# Altium PCB MB1272C.PcbDoc (part 4 of 10)
Units mm, origin at the board's own origin, x right, y up, seen from the top; angles counter-clockwise.
Board outline 101 x 71 mm, 6 copper layers (Top Layer, Signal Layer 1, Signal Layer 2, Signal Layer 3, Signal Layer 4, Bottom Layer), stack 1.552 mm thick; 520 components, 478 nets, 2156 pads, 1894 vias.
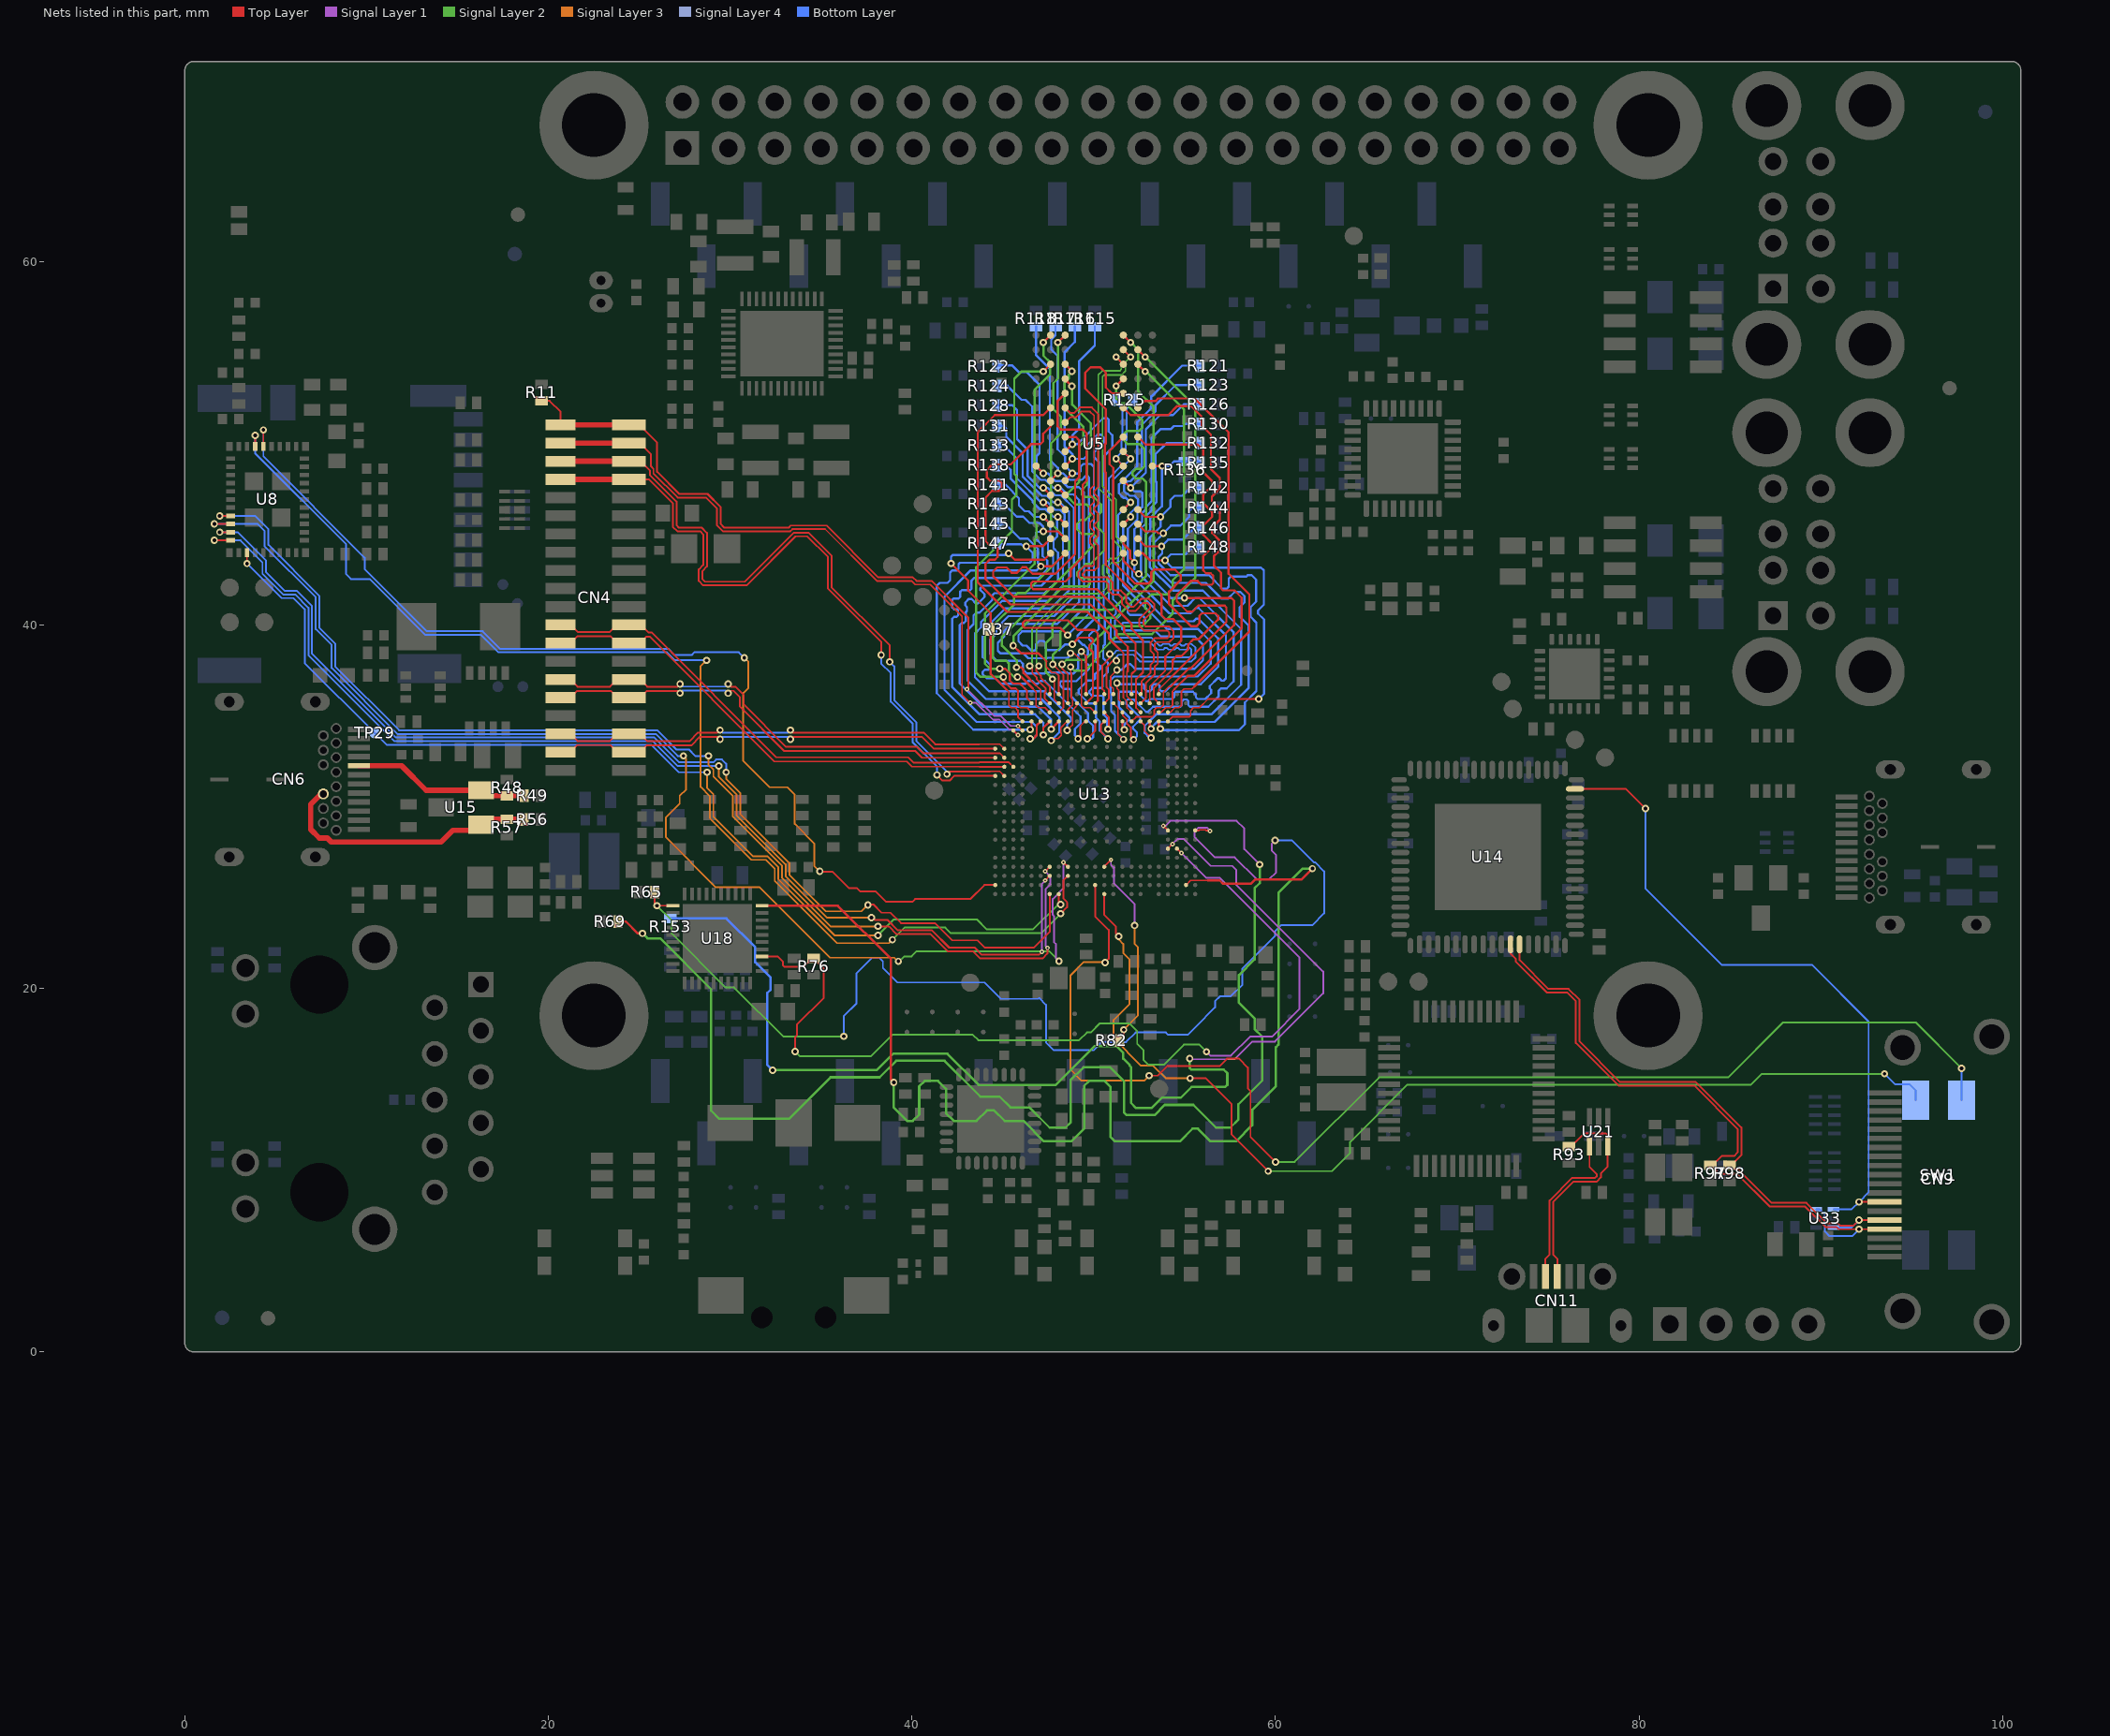
[diagram p8: the nets of this part, all layers, seen from the top]

## Via types
v1: diameter 0.4, hole 0.2, Top Layer to Bottom Layer, tented both sides, 912 vias
v2: diameter 0.25, hole 0.1, Top Layer to Signal Layer 1, tented top, 493 vias
v3: diameter 0.6, hole 0.3, Top Layer to Bottom Layer, tented both sides, 452 vias
v4: diameter 0.25, hole 0.1, Top Layer to Signal Layer 1, tented both sides, 37 vias

## Nets (pads, with @x,y where several pads share a name; then routed paths per layer and width w, separated by ;. In a path a pad name is that pad's centre, name@x,y a point inside that pad or via, vN(x,y) a via of type N, cw(c..) or ccw(c..) an arc to the next point about the centre after c; other vN are vias at no path point) (continued)
BOOT0: SW1.1 U13.N1 | length 60.5
  Top Layer w0.1: U13.N1@50.58,25.19 50.58,24.034 51.23,23.384 51.23,23.015 v1(51.38,22.865) ; v1(55.3,15.05) 56.175,15.05 57.575,13.65 57.575,11.97 v1(59.6,9.945)
  Signal Layer 2 w0.1: v1(59.6,9.945) 63.095,9.945 64.1,10.95 64.1,11.55 67.25,14.7 86.15,14.7 86.75,15.3 v1(93.5,15.3)
  Signal Layer 3 w0.1: v1(51.38,22.865) 51.38,22.694 51.625,22.449 51.625,21.95 51.975,21.6 51.975,19.15 51.1,18.275 51.1,17.25 52.6,15.75 53.278,15.75 53.978,15.05 v1(55.3,15.05)
  Bottom Layer w0.1: v1(93.5,15.3) 94.075,14.725 94.875,14.725 95.205,14.395 SW1.1@95.205,13.85
BOOT1: R82.2 U13.N4 | length 11.5
  Top Layer w0.1: U13.N4@50.575,26.695 U13.N4@50.58,26.69 50.58,26.705 v2(50.95,27.075) ; R82.2@51.425,17.125 51.65,17.35 v1(51.65,17.725)
  Signal Layer 1 w0.1: v2(50.95,27.075) 50.95,26.8 51.105,26.645 51.105,25.787 52.255,24.636 v1(52.255,23.465)
  Signal Layer 3 w0.1: v1(51.65,17.725) 52.425,18.5 52.425,22.275 52.255,22.445 v1(52.255,23.465)
BOOT2: SW1.2 U13.M2 | length 72.3
  Top Layer w0.1: U13.M2@50.08,25.69 50.08,23.968 50.83,23.218 50.83,21.63 v1(50.625,21.425) ; v1(53.05,15.2) 53.525,15.2 54.05,15.725 56.926,15.725 57.331,16.129 57.996,16.129 58.475,15.65 58.475,14.495 58.625,14.345 58.625,11.825 v1(60,10.45)
  Signal Layer 2 w0.1: v1(60,10.45) 61.05,10.45 65.7,15.1 84.9,15.1 87.925,18.125 95.215,18.125 v1(97.745,15.595)
  Signal Layer 3 w0.1: v1(50.625,21.425) 50.625,21.45 49.45,21.45 48.725,20.725 48.725,15.525 49.325,14.925 52.775,14.925 v1(53.05,15.2)
  Bottom Layer w0.1: SW1.2@97.745,13.85 v1(97.745,15.595)
BT_DEV_WAKE: U8.39 U13.J3 | length 67
  Top Layer w0.09: 48.53,24.715 48.53,24.753 48.33,24.953 48.33,25.94 U13.J3@48.58,26.19
  Top Layer w0.1: U8.39@3.875,49.825 v1(3.875,50.425) ; v1(48.18,24.115) 48.53,24.465 48.53,24.715
  Signal Layer 2 w0.1: v1(38.925,22.675) 39.6,23.35 41.84,23.35 42.15,23.04 47.105,23.04 v1(48.18,24.115)
  Signal Layer 3 w0.1: v1(28.7,38.05) 28.38,37.73 28.38,31.09 28.88,30.59 28.88,29.356 31.161,27.075 31.953,27.075 32.455,26.573 32.455,25.917 35.882,22.49 38.74,22.49 v1(38.925,22.675)
  Bottom Layer w0.1: v1(3.875,50.425) 3.875,49.44 8.875,44.44 8.875,42.789 9.139,42.525 10.167,42.525 13.242,39.45 16.3,39.45 17.26,38.49 26.519,38.49 26.959,38.05 v1(28.7,38.05)
BT_HOST_WAKE: U8.38 U13.A2 | length 58.9
  Top Layer w0.1: U8.38@4.325,49.825 v1(4.325,50.726) ; v1(34.93,26.44) 34.955,26.415 35.644,26.415 36.554,25.506 36.98,25.506 37.144,25.341 38.004,25.341 38.58,24.765 40.03,24.765 40.18,24.915 43.208,24.915 43.983,25.69 U13.A2@44.58,25.69
  Signal Layer 3 w0.1: v1(30.78,38.19) 31.004,37.966 31.004,36.531 30.725,36.252 30.725,32.509 32.168,31.066 33.148,31.066 33.55,30.664 33.55,29.049 34.63,27.969 34.63,26.74 v1(34.93,26.44)
  Bottom Layer w0.1: v1(4.325,50.726) 4.325,49.272 9.901,43.697 9.901,43.074 13.325,39.65 16.383,39.65 17.343,38.69 26.601,38.69 26.951,38.34 27.882,38.34 28.032,38.49 30.48,38.49 v1(30.78,38.19)
BT_PCM_CLK: U8.11 U13.G3 | length 63.7
  Top Layer w0.1: v1(1.624,44.65) U8.11@2.525,44.65 ; v1(37.78,23.89) v1@37.78,23.94 ; v1@37.78,23.94 37.955,23.765 38.661,23.765 39.237,23.19 41.104,23.19 42.049,22.245 43.442,22.245 43.837,21.85 46.99,21.85 v4(47.15,22.01) ; v2(47.33,25.94) U13.G3@47.58,26.19
  Signal Layer 1 w0.1: v4(47.15,22.01) 47.15,25.76 v2(47.33,25.94)
  Signal Layer 3 w0.1: v1(29.38,32.24) 29.38,31.639 30.35,30.669 30.35,29.526 33.055,26.821 33.055,26.165 35.33,23.89 v1(37.78,23.89)
  Bottom Layer w0.1: v1(1.624,44.65) 3.067,44.65 4.275,43.442 4.275,42.806 5.406,41.675 6.069,41.675 6.8,40.944 6.8,38.336 11.536,33.6 25.745,33.6 27.105,32.24 28.805,32.24 v1(29.38,32.24)
BT_PCM_SDI: U8.10 U13.G1 | length 62
  Top Layer w0.1: v1(1.925,45.1) U8.10@2.525,45.1 ; v1(37.58,24.59) 37.605,24.615 37.882,24.615 38.332,24.165 38.827,24.165 39.402,23.59 41.269,23.59 42.214,22.645 43.608,22.645 44.003,22.25 46.713,22.25 47.58,23.117 U13.G1@47.58,25.19
  Signal Layer 3 w0.1: v1(29.78,31.89) 29.78,31.522 30.55,30.752 30.55,29.609 33.255,26.904 33.255,26.248 35.263,24.24 37.225,24.24 37.575,24.59 v1(37.58,24.59)
  Bottom Layer w0.1: v1(1.925,45.1) 2.9,45.1 4.475,43.525 4.475,42.889 5.489,41.875 6.152,41.875 7,41.027 7,38.419 11.619,33.8 25.828,33.8 27.188,32.44 29.08,32.44 29.23,32.59 29.555,32.59 29.78,32.365 v1(29.78,31.89)
BT_PCM_SDO: U8.9 U13.J4 | length 70.5
  Top Layer w0.1: v1(1.624,45.55) U8.9@2.525,45.55 ; v2(48.33,26.94) U13.J4@48.58,26.69
  Signal Layer 1 w0.1: v1(48.09,21.5) 47.92,21.67 47.92,21.867 47.925,21.872 47.925,22.427 47.816,22.536 47.816,23.984 47.75,24.05 47.75,24.92 48.33,25.5 v2(48.33,26.94)
  Signal Layer 2 w0.1: v1(39.255,21.49) 39.255,21.44 39.579,21.765 39.98,21.765 40.255,22.04 47.55,22.04 v1(48.09,21.5)
  Signal Layer 3 w0.1: v1(27.429,32.79) 27.58,32.64 27.58,30.949 27.225,30.594 27.225,30.16 26.475,29.41 26.475,28.311 29.221,25.565 31.624,25.565 35.499,21.69 39.03,21.69 39.23,21.49 v1(39.255,21.49)
  Signal Layer 4 w0.1: v1(27.429,32.79) v1@27.48,32.74
  Bottom Layer w0.1: v1(1.624,45.55) 4.017,45.55 4.4,45.167 4.4,44.317 7.2,41.517 7.2,39.761 8.075,38.886 8.075,38.513 ; 8.074,38.512 8.074,37.628 11.702,34 25.911,34 27.12,32.79 v1(27.429,32.79)
BT_PCM_WS: U8.8 U13.G4 | length 65.3
  Top Layer w0.1: v1(1.925,46) U8.8@2.525,46 ; v1(38.13,23.415) 38.729,23.414 39.154,22.99 41.021,22.99 41.966,22.045 43.359,22.045 43.754,21.65 47.179,21.65 47.45,21.921 v4(47.45,22.23) ; v2(47.33,26.44) U13.G4@47.58,26.69
  Signal Layer 1 w0.1: v2(47.33,26.44) 47.605,26.165 47.605,25.715 47.35,25.46 47.35,22.33 v4(47.45,22.23)
  Signal Layer 3 w0.1: v1(28.805,32.79) 28.805,32.315 29.08,32.04 29.08,31.656 30.15,30.586 30.15,29.444 32.855,26.739 32.855,26.082 35.522,23.415 v1(38.13,23.415)
  Bottom Layer w0.1: v1(1.925,46) 3.85,46 4.6,45.25 4.6,44.4 7.4,41.6 7.4,39.844 8.275,38.969 8.275,37.886 8.274,37.711 11.785,34.2 25.994,34.2 27.053,33.14 27.73,33.14 28.08,32.79 v1(28.805,32.79)
BT_REG_ON: TP29.1 U8.14 U13.H1 | length 59.1
  Top Layer w0.1: v1(3.425,43.375) U8.14@3.425,43.975 ; U13.H1@48.08,25.19 48.08,24.64 48.105,24.615 v1(48.18,24.615)
  Signal Layer 2 w0.1: v1(38.13,22.915) 39.005,23.79 43.58,23.79 44.13,23.24 44.81,23.24 46.655,23.24 48.105,24.69 v1(48.18,24.615)
  Signal Layer 3 w0.1: v1(28.73,31.89) 28.73,31.04 29.08,30.69 29.08,29.439 31.244,27.275 32.036,27.275 32.655,26.656 32.655,25.999 35.74,22.915 v1(38.13,22.915)
  Bottom Layer w0.1: v1(3.425,43.375) 3.425,43.373 5.323,41.475 5.986,41.475 6.6,40.861 6.6,37.9 TP29.1@10.45,34.05 11.1,33.4 25.662,33.4 27.172,31.89 v1(28.73,31.89)
CC1: CN6.A5 R48.2 R49.1 U15.2 | length 9.8
  Top Layer w0.3: CN6.A5@9.58,32.25 11.925,32.25 13.275,30.9 U15.2@16.3,30.9 16.6,30.6 R48.2@17.725,30.6 R49.1@18.65,30.6
CC2: CN6.B5 R56.1 R57.2 U15.1 | length 14.8
  Top Layer w0.3: CN6.B5@7.62,30.7 7.501,30.7 6.925,30.124 6.925,28.75 7.4,28.275 7.5,28.275 7.505,28.28 7.83,28.28 8.061,28.05 14.1,28.05 14.75,28.7 16,28.7 U15.1@16.3,29 16.6,29.3 R57.2@17.725,29.3 R56.1@18.65,29.3
CEC_A: CN9.13 U14.71 U33.1 | length 37.1
  Top Layer w0.1: U14.71@76.475,30.975 79.275,30.975 v1(80.35,29.9) ; v1(92.1,8.25) CN9.13@93.5,8.25
  Bottom Layer w0.1: v1(80.35,29.9) 80.35,25.5 84.55,21.3 89.5,21.3 92.625,18.175 92.625,8.775 v1(92.1,8.25) 91.7,7.85 U33.1@90.7,7.85
CON_USB_STLK_N: CN11.2 U21.1 | length 9.2
  Top Layer w0.1: CN11.2@74.85,4.15 74.85,5.125 75.075,5.35 75.075,8.325 76.325,9.575 77.575,9.575 77.675,9.675 77.675,9.775 77.275,10.175 U21.1@77.275,11.295
CON_USB_STLK_P: CN11.3 R93.1 U21.3 | length 12.3
  Top Layer w0.1: CN11.3@75.5,4.15 75.5,5.125 75.275,5.35 75.275,8.242 76.408,9.375 77.675,9.375 77.9,9.6 77.9,9.825 78.275,10.2 U21.3@78.275,11.295 78.275,11.925 78.175,12.025 77,12.025 76.275,11.3 R93.1@76.15,11.3
DDR_A0: R131.1 U5.N3 U13.L20 | length 29.5
  Top Layer w0.09: v1(48.03,46.74) U5.N3@48.43,46.34 ; v1(49.14,33.74) 49.26,33.86 49.26,34.43 49.52,34.69 U13.L20@49.58,34.69
  Bottom Layer w0.12: R131.1@44.68,50.96 45.03,50.96 45.19,50.8 45.19,50.34 46.09,49.44 46.09,48.16 47.15,47.1 47.42,47.1 47.78,46.74 v1(48.03,46.74) 48.121,46.74 48.64,46.221 48.64,41.895 47.645,40.9 45.132,40.9 44.23,39.998 44.23,39.698 43.89,39.358 43.89,38.226 44.323,37.793 44.323,37.647 44.206,37.53 44.01,37.53 43.89,37.41 43.89,37.292 44.106,37.076 44.563,37.076 44.879,36.76 46.24,36.76 46.39,36.91 46.635,36.91 46.785,36.76 46.92,36.76 47.07,36.91 47.319,36.91 49.27,34.959 49.27,34.58 48.96,34.27 48.96,33.92 v1(49.14,33.74)
DDR_A1: R123.1 U5.P7 U13.P22 | length 34
  Top Layer w0.09: U13.P22@51.08,35.69 51.335,35.435 ; 51.33,34.005 51.33,35.435 ; 51.335,34.005 v1(51.64,33.7)
  Top Layer w0.12: U5.P7@51.63,45.54 v1(52.03,45.94)
  Bottom Layer w0.12: v1(51.64,33.7) 51.17,34.17 51.17,35.032 50.96,35.242 50.96,36.26 50.92,36.3 50.92,36.949 51.131,37.16 55.719,37.16 56.43,37.871 56.43,39.079 55.729,39.78 54.01,39.78 51.61,42.18 51.61,45.52 v1(52.03,45.94) 52.03,46.162 52.447,46.579 52.447,46.903 52.25,47.1 51.981,47.1 51.861,47.22 51.81,47.22 51.665,47.365 51.665,47.684 51.881,47.9 52.01,47.9 52.65,48.54 52.65,51 53.39,51.74 53.39,52.079 54.501,53.19 R123.1@55.86,53.19
DDR_A2: R138.1 U5.P3 U13.J20 | length 27.4
  Top Layer w0.09: v1@47.76,33.74 48.04,33.74 48.22,33.92 48.22,34.032 48.195,34.057 48.195,34.343 48.542,34.69 U13.J20@48.58,34.69
  Top Layer w0.12: v1(47.66,33.64) v1@47.76,33.74 ; v1(48.03,45.94) U5.P3@48.43,45.54
  Bottom Layer w0.12: R138.1@44.68,48.79 45.17,48.79 45.43,48.53 45.43,48.049 46.64,46.839 46.64,46.76 47.04,46.36 47.36,46.36 47.78,45.94 v1(48.03,45.94) ; v1(47.66,33.64) 48.12,34.1 48.12,34.921 47.121,35.92 44.074,35.92 43.05,36.944 43.05,39.706 43.39,40.046 43.39,40.522 43.548,40.68 43.72,40.68 43.722,40.678 44.42,41.376 44.42,41.62 44.54,41.74 47.297,41.74 48.037,42.48 48.037,43.973 47.79,44.22 47.79,44.66 47.987,44.857 v1@47.987,45.92
DDR_A3: R133.1 U5.N2 U13.K22 | length 27.8
  Top Layer w0.09: v1(48.54,34.2) 48.825,34.485 ; 48.83,34.485 48.83,35.3 49.08,35.575 U13.K22@49.08,35.69 U13.K22@49.08,35.58
  Top Layer w0.12: v1(47.23,46.74) U5.N2@47.63,46.34
  Bottom Layer w0.12: R133.1@44.68,49.88 45.05,49.88 45.77,49.16 45.77,48.07 47.1,46.74 v1(47.23,46.74) 47.469,46.74 47.879,46.33 48.149,46.33 48.39,46.089 48.39,45.791 48.307,45.708 48.307,42.156 47.471,41.32 44.958,41.32 43.81,40.172 43.81,39.872 43.47,39.532 43.47,37.118 44.248,36.34 47.295,36.34 48.75,34.885 48.75,34.73 48.54,34.52 v1(48.54,34.2)
DDR_A4: R144.1 U5.P8 U13.V20 | length 24.5
  Top Layer w0.12: U5.P8@52.43,45.54 52.83,45.14 53.45,45.14 53.55,45.04 v1(53.83,45.04) ; U13.V20@53.08,34.69 53.08,34.37 v1(53.16,34.29)
  Bottom Layer w0.12: v1(53.16,34.29) 53.16,34.334 53.486,34.66 56.654,34.66 58.53,36.536 58.53,39.949 58.03,40.449 58.03,40.968 58.291,41.229 58.291,41.589 58.075,41.805 57.745,41.805 57.38,41.44 57.039,41.44 56.166,42.313 54.3,42.313 53.32,43.292 53.32,44.51 53.85,45.04 v1(53.83,45.04) 54.25,45.46 54.76,45.46 55.25,45.95 55.25,46.24 55.45,46.44 R144.1@55.86,46.44
DDR_A5: R141.1 U5.P2 U13.H20 | length 25.6
  Top Layer w0.12: v1(47.23,45.94) U5.P2@47.63,45.54 ; v1(47.66,34.26) 48.08,34.68 U13.H20@48.08,34.69
  Bottom Layer w0.12: R141.1@44.68,47.71 45.17,47.71 45.555,47.325 45.555,47.295 45.89,46.96 45.89,46.57 46.205,46.255 46.425,46.255 46.74,45.94 v1(47.23,45.94) 47.612,45.558 47.612,44.942 47.487,44.817 47.487,44.11 47.767,43.829 47.767,42.804 47.123,42.16 43.91,42.16 43.77,42.02 43.77,41.91 44,41.68 44,41.55 43.63,41.18 43.52,41.18 43.27,41.43 43.138,41.43 42.94,41.232 42.94,41.07 43.032,40.978 43.032,40.758 42.97,40.696 42.97,40.22 42.86,40.11 42.75,40.11 42.63,39.99 42.63,36.77 43.9,35.5 46.947,35.5 47.66,34.787 v1(47.66,34.26) v1@47.67,34.25
DDR_A6: R146.1 U5.R8 U13.W20 | length 25.3
  Top Layer w0.12: U5.R8@52.38,44.727 U5.R8@52.38,44.74 ; U5.R8@52.43,44.74 52.85,44.32 v1(53.73,44.32) ; v1@53.58,34.37 U13.W20@53.58,34.69
  Bottom Layer w0.12: v1@53.66,34.24 53.69,34.21 57.99,34.21 58.314,34.534 58.314,35.726 58.95,36.362 58.95,40.123 58.62,40.453 58.62,40.964 58.935,41.279 58.935,42.485 58.687,42.733 58.47,42.733 58.402,42.665 57.545,42.665 57.43,42.55 57.43,42.1 57.32,41.99 57.083,41.99 56.34,42.733 54.219,42.733 53.56,43.392 53.56,43.734 53.766,43.94 v1@53.766,44.315 ; v1(53.73,44.32) 54.095,44.685 54.88,44.685 55.545,45.35 R146.1@55.86,45.35
  other v1: 53.66,34.29
DDR_A7: R147.1 U5.R2 U13.E20 | length 22.7
  Top Layer w0.12: v1(46.29,44.32) 46.311,44.34 47.23,44.34 U5.R2@47.63,44.74 ; v1(46.51,34.24) 46.58,34.31 U13.E20@46.58,34.69
  Bottom Layer w0.12: R147.1@44.68,44.49 44.73,44.44 46.02,44.44 46.14,44.32 v1(46.29,44.32) 46.65,43.96 46.65,43.59 46.48,43.42 42.64,43.42 42.56,43.34 42.56,43.08 42.47,42.99 42.21,42.99 42.1,42.88 42.1,42.454 41.956,42.31 41.53,42.31 41.37,42.15 41.37,36.248 43.378,34.24 v1(46.51,34.24)
DDR_A8: R148.1 U5.T8 U13.Y20 | length 22.7
  Top Layer w0.09: U13.Y20@54.08,34.69 54.33,34.94 55.265,34.94 55.325,35 55.325,35.275 55.49,35.44 55.815,35.44 56.295,35.92 v1(59.08,35.92)
  Top Layer w0.12: U5.T8@52.43,43.94 52.706,43.94 53.096,43.55 v1(53.92,43.55)
  Bottom Layer w0.09: 59.35,41.1 59.355,41.1
  Bottom Layer w0.12: R148.1@55.86,44.27 55.45,44.27 55.06,43.88 54.25,43.88 v1(53.92,43.55) 54.317,43.153 59.207,43.153 59.355,43.005 59.355,41.1 ; v1(59.08,35.92) 59.37,36.21 59.37,40.297 59.04,40.627 59.04,40.79 59.35,41.1
DDR_A9: R143.1 U5.R3 U13.G20 | length 26.4
  Top Layer w0.12: v1(47.23,33.95) 47.23,34.34 U13.G20@47.58,34.69 ; v1(47.23,45.14) 48.03,45.14 U5.R3@48.43,44.74
  Bottom Layer w0.12: R143.1@44.68,46.65 45.07,46.65 45.76,45.96 46.12,45.96 46.469,45.61 47.02,45.61 47.23,45.4 v1(47.23,45.14) ; v1@47.187,45.12 46.88,45.12 46.81,45.05 46.81,44.74 47.187,44.363 47.187,43.795 47.45,43.532 47.45,43.071 46.959,42.58 43.42,42.58 43.28,42.44 43.28,41.99 43.21,41.92 42.754,41.92 42.662,41.828 42.662,41.548 42.564,41.45 42.284,41.45 42.21,41.376 42.21,40.97 42.32,40.86 42.5,40.86 42.54,40.82 42.54,40.52 42.46,40.44 42.32,40.44 42.21,40.33 42.21,36.596 43.726,35.08 46.773,35.08 47.23,34.623 ; v1(47.23,33.95) 47.23,34.623 ; 47.24,34.613 47.23,34.623
DDR_A10: R126.1 U5.L7 U13.R22 | length 29.7
  Top Layer w0.09: v1(51.28,36.8) 51.28,36.5 51.37,36.41 51.37,35.9 U13.R22@51.58,35.69
  Top Layer w0.12: U5.L7@51.63,47.94 v1(52.03,47.54)
  Bottom Layer w0.12: v1@51.34,36.74 52.71,36.74 52.77,36.68 52.77,36.51 52.94,36.34 53.08,36.34 53.21,36.47 53.21,36.65 53.3,36.74 53.54,36.74 53.63,36.65 53.63,36.44 53.73,36.34 53.93,36.34 54.33,36.74 55.893,36.74 56.85,37.697 56.85,39.253 55.769,40.334 55.626,40.334 55.492,40.2 54.04,40.2 51.88,42.36 51.88,45.281 52.4,45.801 52.4,46.22 52.647,46.468 ; 52.667,46.468 52.667,47.263 52.58,47.35 52.22,47.35 v1(52.03,47.54) 52.87,48.38 52.87,50.759 53.651,51.54 54.361,51.54 54.961,52.14 55.85,52.14 R126.1@55.86,52.13
DDR_A11: R130.1 U5.R7 U13.R20 | length 32.2
  Top Layer w0.09: U13.R20@51.58,34.69 51.58,34.33 v1(51.68,34.23)
  Top Layer w0.12: U5.R7@51.63,44.74 51.63,44.449 52.01,44.069 52.01,43.66 v1(52.24,43.43)
  Bottom Layer w0.12: v1(51.68,34.23) 51.68,34.507 51.97,34.797 51.97,34.897 51.74,35.127 51.733,35.127 51.381,35.479 51.381,36.241 51.46,36.32 52.366,36.32 52.878,35.808 52.981,35.808 53.093,35.92 54.32,35.92 54.43,36.03 54.43,36.24 54.51,36.32 55.46,36.32 55.628,36.152 55.628,36.01 55.718,35.92 56.132,35.92 56.461,36.249 56.461,36.429 56.38,36.51 56.38,36.633 56.808,37.062 56.908,37.062 57.046,36.924 57.136,36.924 57.27,37.058 57.27,39.427 55.768,40.929 55.626,40.929 55.331,40.633 54.148,40.633 52.12,42.661 52.12,42.959 52.24,43.079 v1(52.24,43.43) 52.24,45.261 52.66,45.68 52.66,46.149 52.887,46.377 52.887,46.496 53.18,46.789 53.18,50.269 53.691,50.78 54.26,50.78 54.42,50.94 54.899,50.94 55.019,51.06 R130.1@55.86,51.06
DDR_A12: R121.1 U5.N7 U13.P23 | length 33
  Top Layer w0.09: U13.P23@51.08,36.19 51.08,36.5 50.935,36.645 50.935,37.175 v1(51.28,37.52)
  Top Layer w0.12: U5.N7@51.63,46.34 v1(52.03,46.74)
  Bottom Layer w0.12: v1(51.28,37.52) 51.53,37.52 51.86,37.85 52,37.85 52.27,37.58 55.545,37.58 56.01,38.045 56.01,38.905 55.555,39.36 53.692,39.36 53.352,39.7 51.65,39.7 51.57,39.78 51.57,40.06 51.63,40.12 52.726,40.12 52.838,40.232 52.838,40.358 52.656,40.54 52.002,40.54 51.862,40.68 51.862,40.912 52.07,41.12 52.07,41.32 51.9,41.49 51.562,41.49 51.34,41.712 51.34,46.05 v1(52.03,46.74) 51.79,46.98 51.65,46.98 51.39,47.24 51.39,47.725 52.397,48.732 52.397,51.157 53.17,51.93 53.17,52.57 54.86,54.26 R121.1@55.86,54.26
DDR_A13: R145.1 U5.T3 U13.F20 | length 24.7
  Top Layer w0.12: v1(46.51,33.74) 46.67,33.74 46.87,33.94 46.87,34.48 U13.F20@47.08,34.69 ; v1@47.12,43.23 47.72,43.23 U5.T3@48.43,43.94
  Bottom Layer w0.12: R145.1@44.68,45.57 45.12,45.57 45.945,44.745 46.374,44.745 46.93,44.189 46.93,43.39 47.09,43.23 46.86,43 43.24,43 41.79,41.55 41.79,36.422 43.552,34.66 46.39,34.66 46.599,34.66 46.87,34.389 46.87,33.94 46.67,33.74 v1(46.51,33.74) ; v1@47.12,43.18 v1@47.12,43.23
  other v1: 47.09,43.22
DDR_A14: R132.1 U5.T7 U13.R21 | length 33.2
  Top Layer w0.09: U13.R21@51.557,35.167 U13.R21@51.58,35.19 ; U13.R21@51.583,35.21 51.587,35.206 51.587,35.036 51.684,34.94 51.83,34.794 51.83,34.586 51.83,34.568 52.04,34.358 52.04,33.84 v1(52.19,33.69)
  Top Layer w0.12: U5.T7@51.63,43.94 51.63,43.52 52.34,42.81 v1(52.48,42.81)
  Bottom Layer w0.12: v1@52.17,33.66 52.38,33.87 52.38,34.08 52.158,34.302 52.158,34.392 52.558,34.792 52.558,34.903 51.801,35.66 51.801,35.83 51.871,35.9 52.192,35.9 52.881,35.211 ; 52.88,35.21 52.977,35.21 53.267,35.5 54.77,35.5 54.85,35.58 54.85,35.79 54.96,35.9 55.11,35.9 55.208,35.802 55.208,35.58 55.288,35.5 56.306,35.5 56.881,36.075 56.881,36.39 56.995,36.504 57.31,36.504 57.69,36.884 57.69,39.601 55.818,41.473 55.577,41.473 55.157,41.053 54.242,41.053 52.825,42.47 52.82,42.47 v1(52.48,42.81) 52.6,42.93 52.6,45.309 52.88,45.589 52.88,46 53.19,46.311 53.19,46.488 53.44,46.738 53.44,47.869 53.4,47.909 53.4,49.389 54.02,50.009 55.841,50.009 R132.1@55.86,49.99
DDR_BA0: R128.1 U5.M2 U13.L23 | length 29.4
  Top Layer w0.12: v1(47.23,47.54) U5.M2@47.63,47.14 ; v1(49.32,38.54) 49.58,38.28 U13.L23@49.58,36.19
  Bottom Layer w0.12: R128.1@44.68,52.06 44.71,52.09 45.51,52.09 45.78,51.82 45.78,50.22 46.37,49.63 46.37,48.191 47.021,47.54 v1(47.23,47.54) 47.469,47.54 47.879,47.13 48.2,47.13 48.91,46.42 48.91,41.571 47.819,40.48 45.306,40.48 44.65,39.824 44.65,39.524 44.31,39.184 44.31,38.4 44.69,38.02 45.949,38.02 46.11,37.859 46.11,37.56 46.34,37.33 47.3,37.33 47.35,37.38 48.531,37.38 48.59,37.32 48.87,37.32 49.14,37.591 49.14,38.36 v1(49.32,38.54)
DDR_BA1: R142.1 U5.N8 U13.U20 | length 25.3
  Top Layer w0.09: U13.U20@52.58,34.69 52.78,34.49 52.78,34.17 v1(53.16,33.79)
  Top Layer w0.12: U5.N8@52.43,46.34 52.83,45.94 v1(53.68,45.94)
  Bottom Layer w0.12: v1(53.16,33.79) 53.066,33.79 52.8,34.056 52.8,34.439 53.441,35.08 56.48,35.08 58.11,36.71 58.11,39.775 55.992,41.893 54.38,41.893 53.08,43.193 53.08,44.799 53.68,45.399 v1(53.68,45.94) 54.22,46.48 54.22,46.869 54.451,47.1 54.88,47.1 55.34,47.56 55.84,47.56 R142.1@55.86,47.54
DDR_BA2: R124.1 U5.M3 U13.M21 | length 29.9
  Top Layer w0.09: v1(48.72,38.44) 48.929,38.44 49.335,38.034 ; 49.33,38.034 49.33,35.559 49.449,35.44 49.82,35.44 50.07,35.19 U13.M21@50.08,35.19
  Top Layer w0.12: v1@48.05,47.52 U5.M3@48.43,47.14
  Bottom Layer w0.12: R124.1@44.68,53.15 44.71,53.18 45.25,53.18 45.25,53.161 46.031,52.38 46.249,52.38 46.62,52.009 46.62,48.441 47.081,47.98 47.34,47.98 47.78,47.54 v1(48.03,47.54) 48.19,47.54 48.554,47.176 48.894,47.176 49.2,46.87 49.2,41.267 47.993,40.06 45.48,40.06 45.07,39.65 45.07,39.35 44.73,39.01 44.73,38.574 44.864,38.44 46.123,38.44 46.401,38.162 47.432,38.162 47.46,38.19 48.57,38.19 v1@48.72,38.34 ; v1@48.64,38.32 v1@48.72,38.4
DDR_CASN: R116.1 U5.K3 U13.N20 | length 31.1
  Top Layer w0.09: U13.N20@50.58,34.69 50.39,34.5 50.39,34.13 v1(50.78,33.74)
  Top Layer w0.12: U5.K3@48.43,48.74 v1(48.83,49.14)
  Bottom Layer w0.12: R116.1@48.97,56.41 48.97,55.57 48.39,54.99 48.39,49.83 48.83,49.39 v1(48.83,49.14) 49.45,49.14 49.61,49.3 49.61,49.866 50.202,50.458 50.409,50.458 50.58,50.287 50.58,50.07 50.03,49.52 50.03,49.212 50.28,48.962 50.28,39.77 50.17,39.66 ; 50.169,39.661 49.969,39.661 49.75,39.441 49.75,39.203 50.1,38.853 50.1,37.996 50.36,37.736 50.36,37.577 50.08,37.297 50.08,37.05 49.97,36.94 49.677,36.94 49.168,36.431 49.168,36.248 49.736,35.681 50,35.681 50.12,35.561 50.12,34.894 50.33,34.684 50.33,34.19 v1(50.78,33.74)